# Altium PCB Zoom Camera Controller V3.0.PcbDoc
Units mm, origin at the board's own origin, x right, y up, seen from the top; angles counter-clockwise.
Board outline 35 x 35 mm, 2 copper layers (Top Layer, Bottom Layer); 23 components, 37 nets, 190 pads, 41 vias.
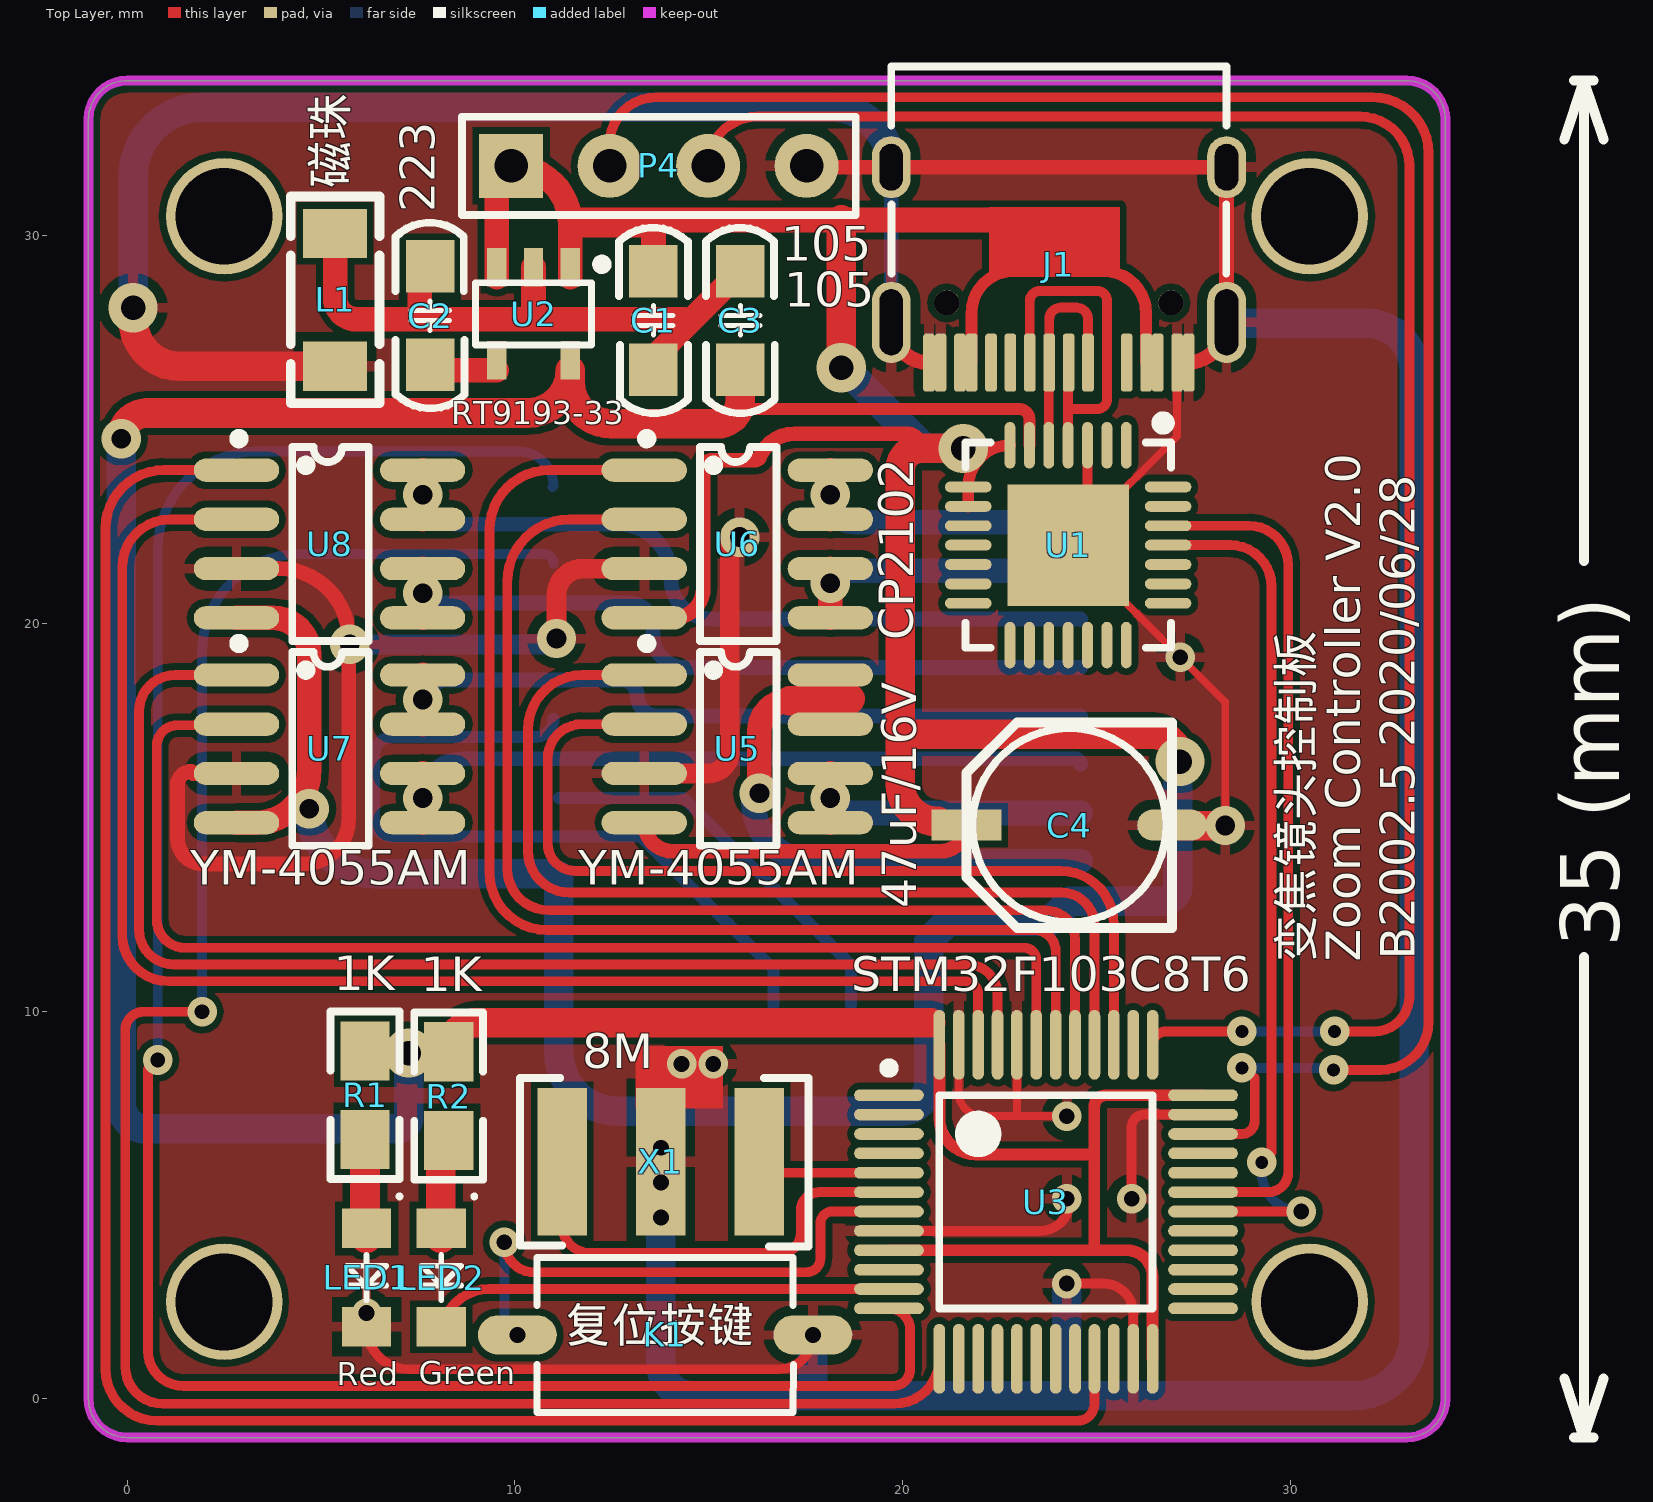
[diagram p0: Top Layer view]
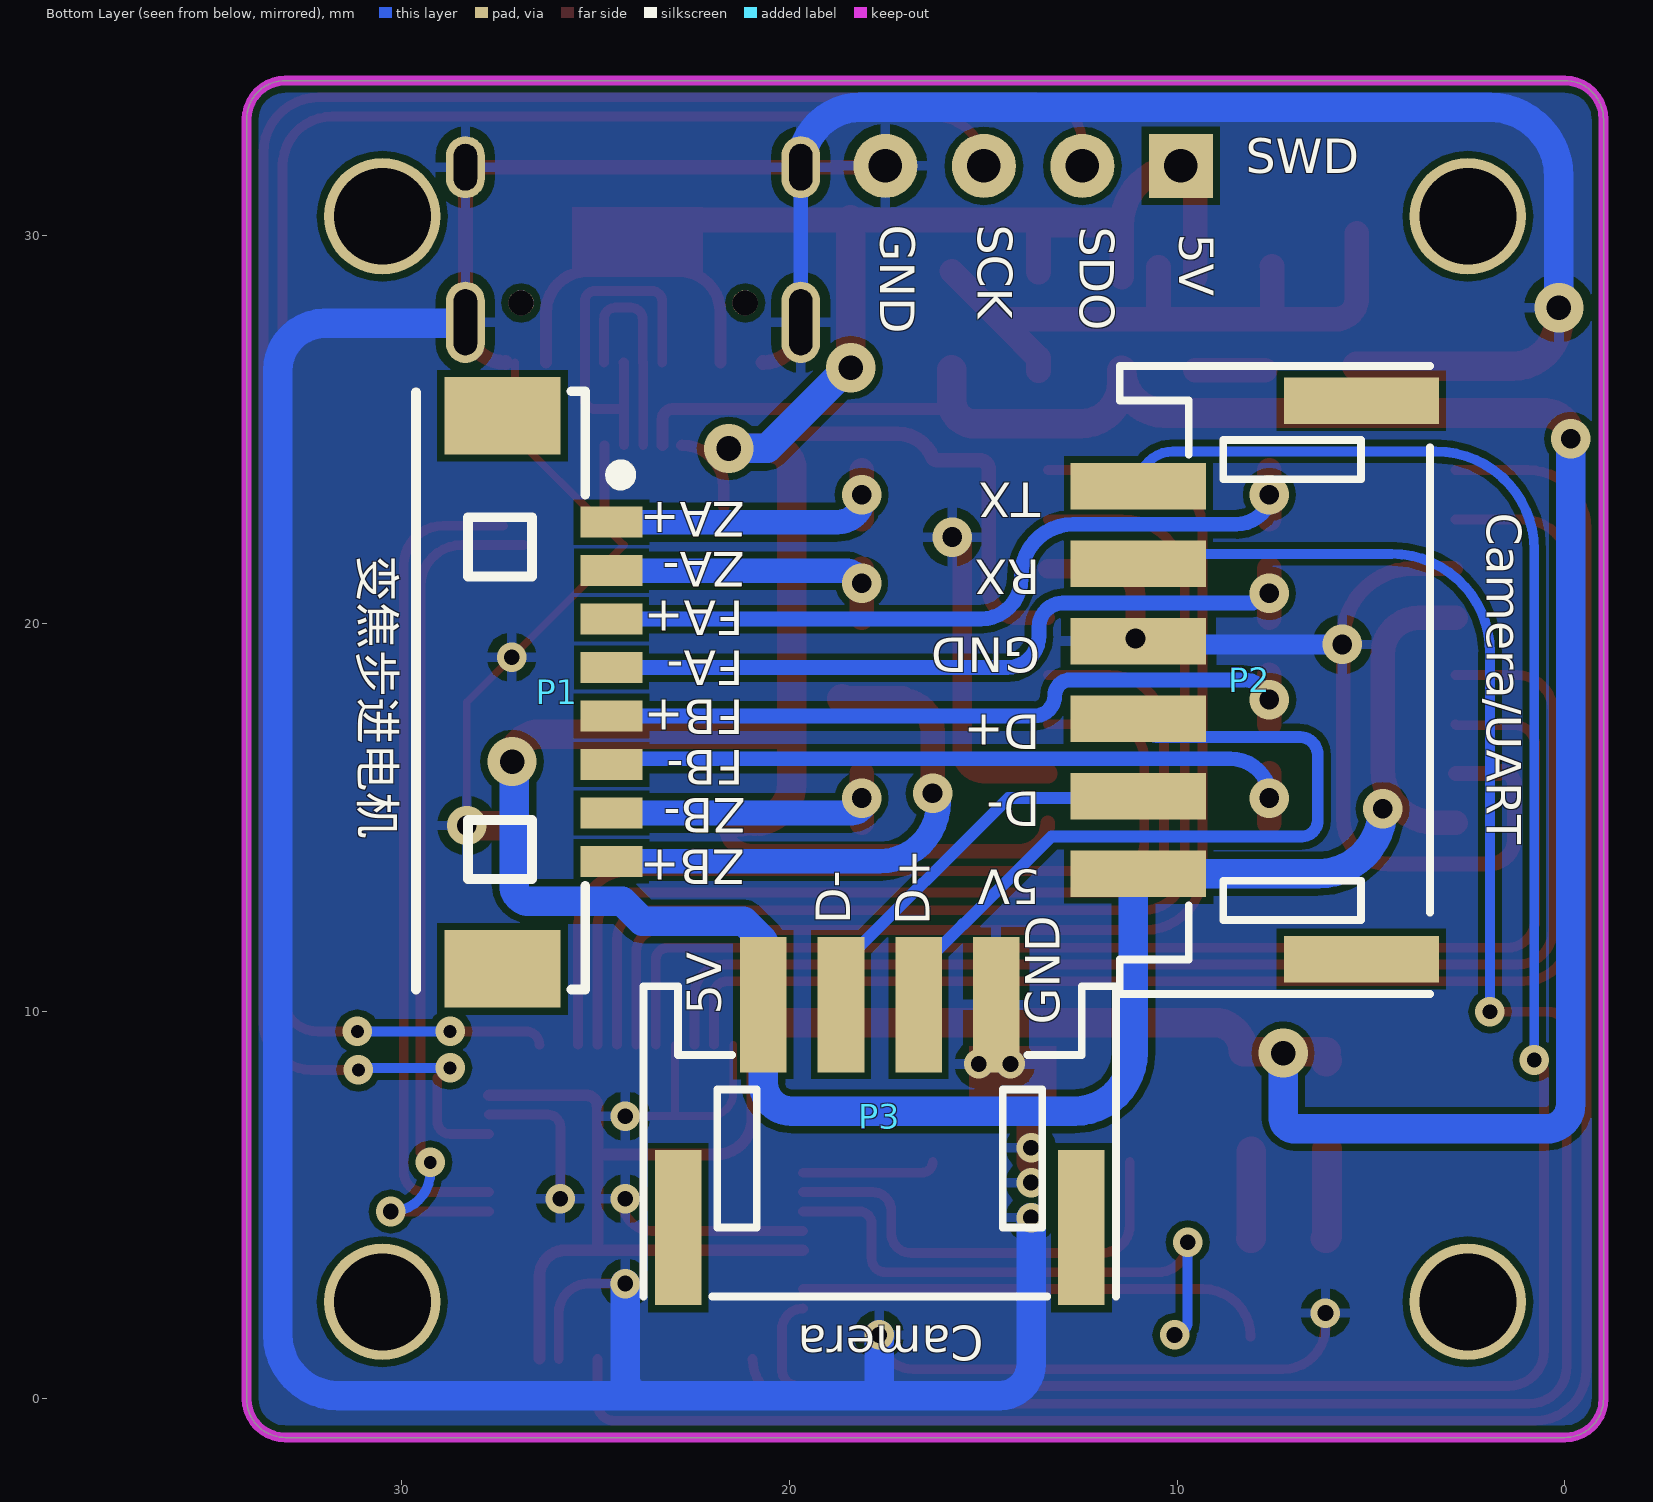
[diagram p1: Bottom Layer view, seen from below]
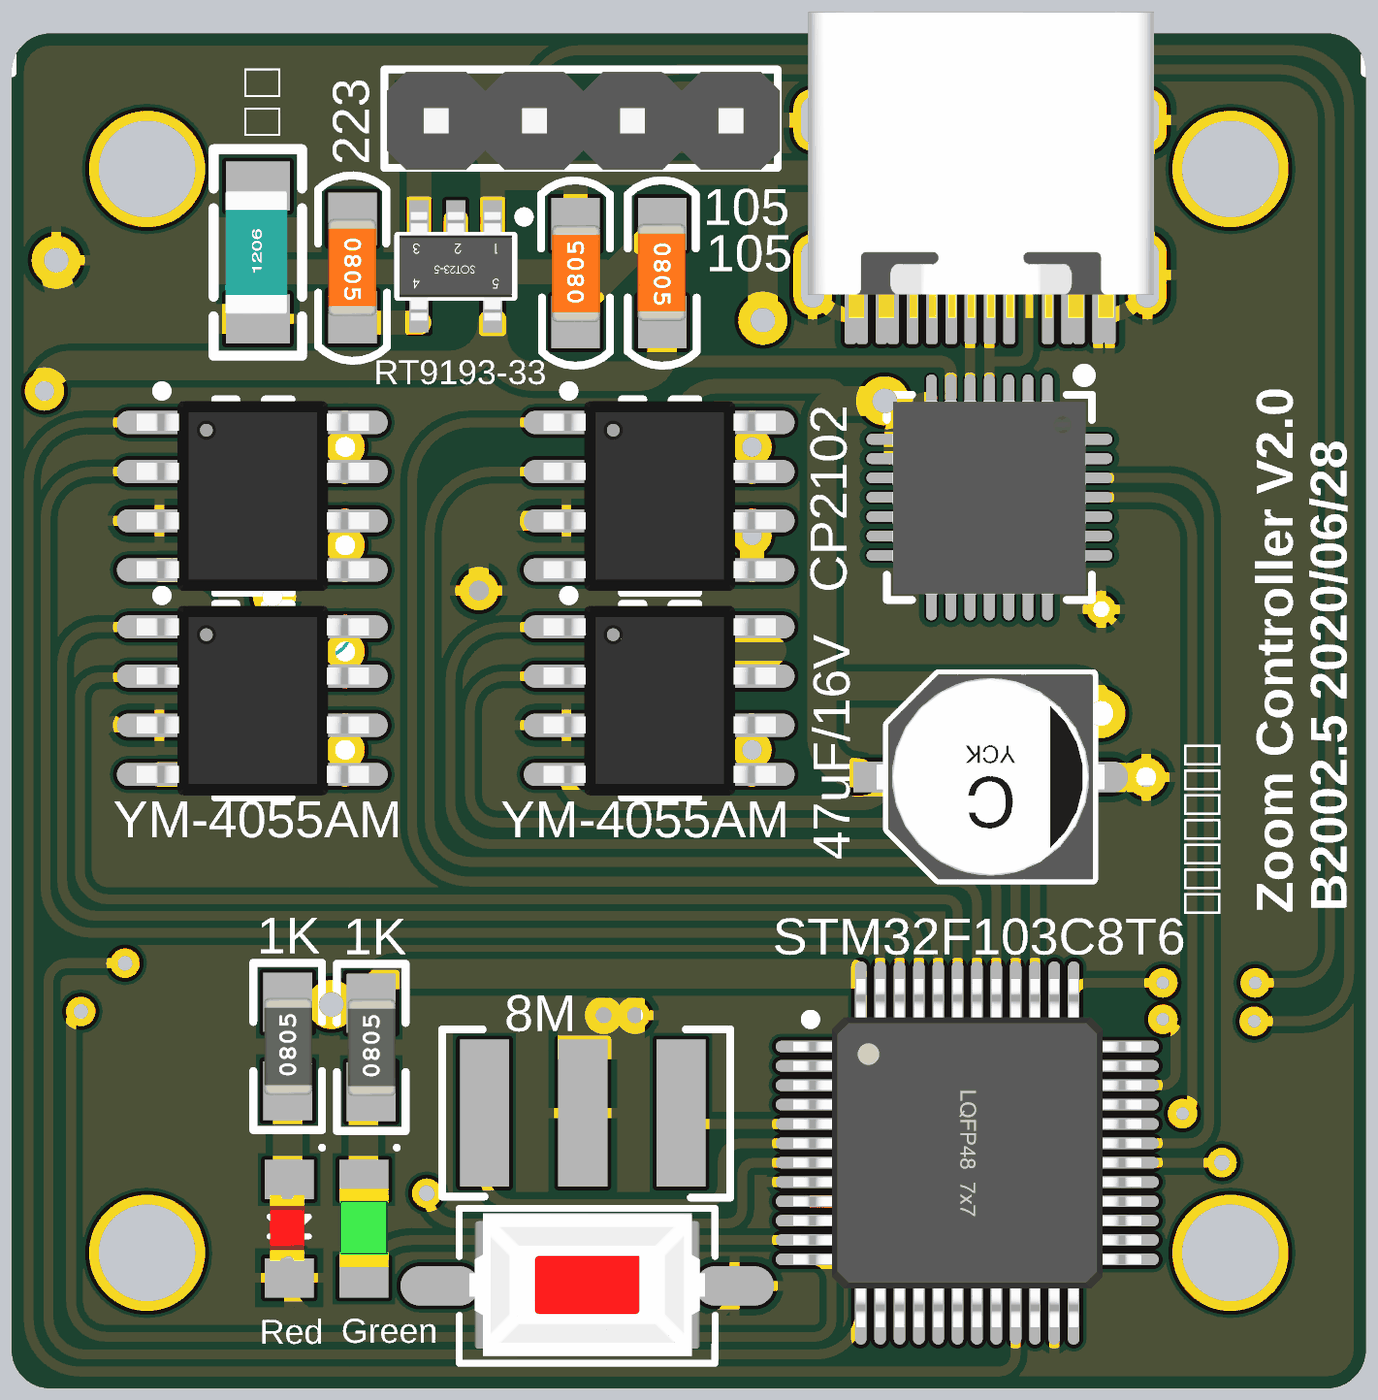
[diagram p2: 3D render of the assembled board from above, using the file's embedded part models]
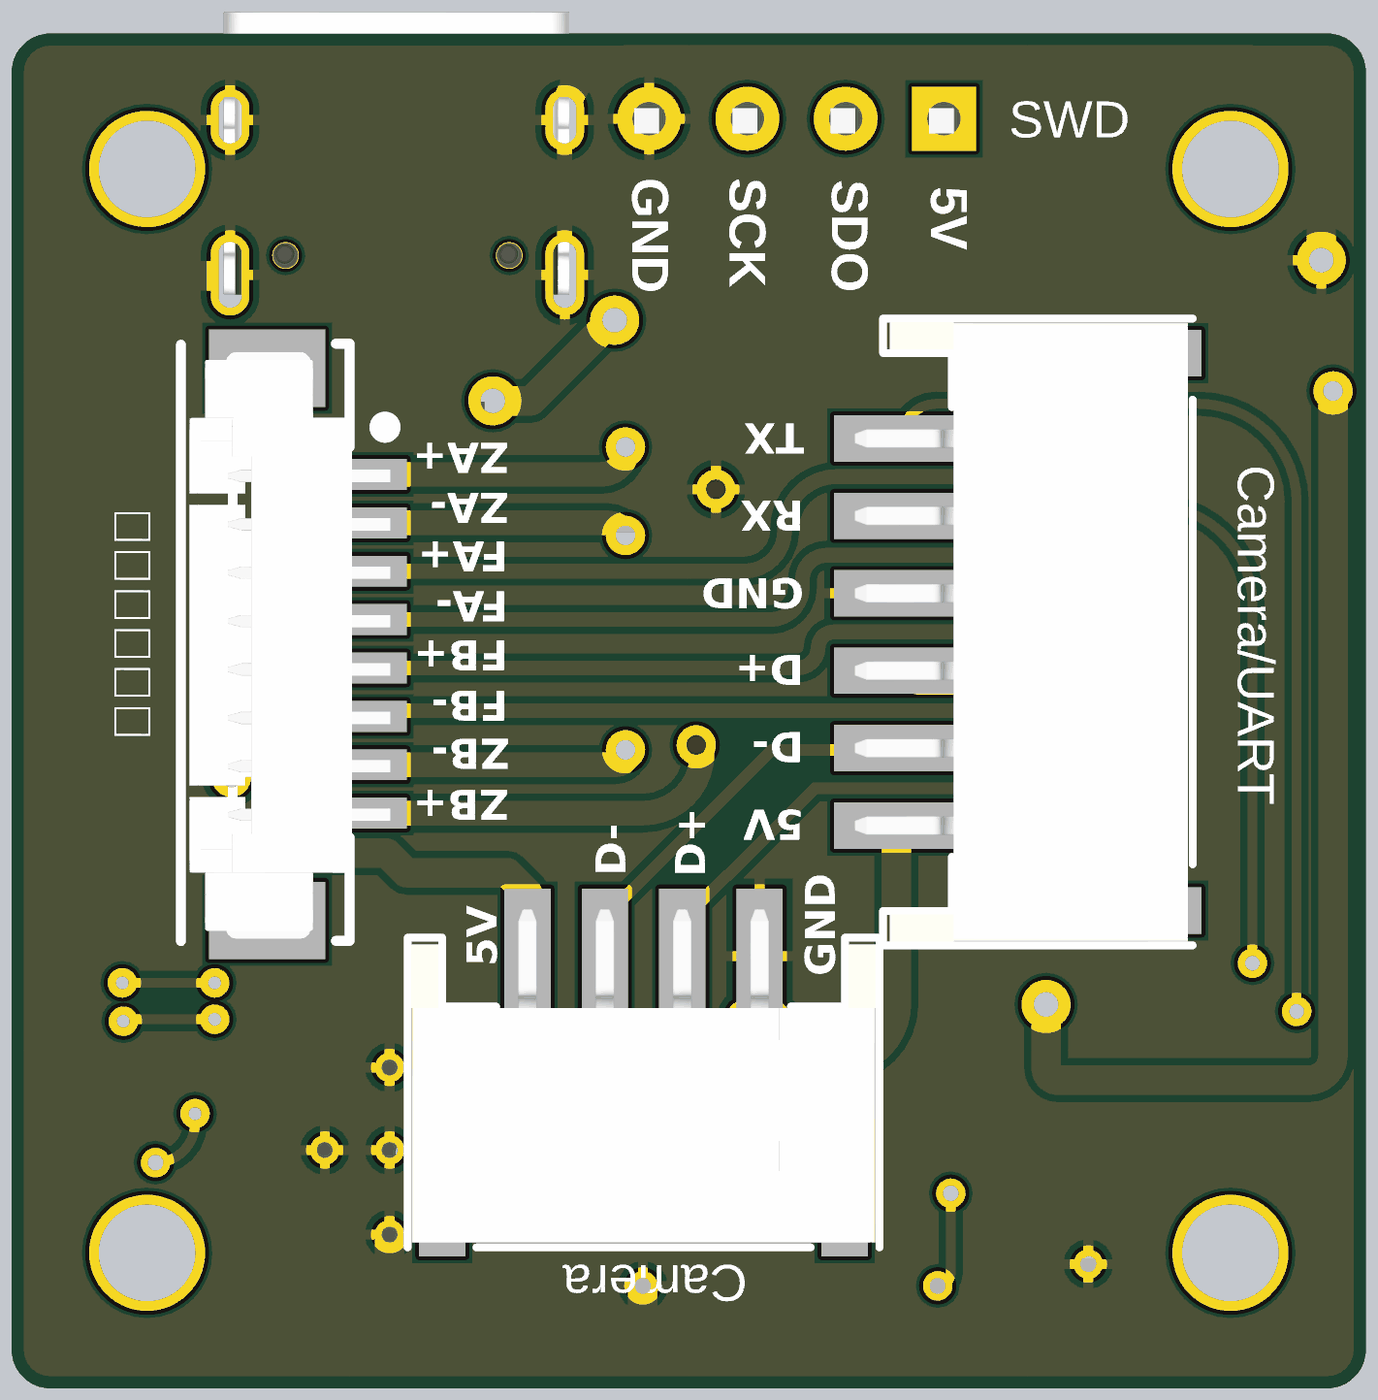
[diagram p3: 3D render of the assembled board from below, using the file's embedded part models]

## Layer stack, top to bottom
Top Solder: solder mask 0.0102, Solder Resist, Dk 3.5
Top Layer: signal copper 0.0356
Dielectric 1: dielectric 0.32, FR-4, Dk 4.8
Bottom Layer: signal copper 0.0356
Bottom Solder: solder mask 0.0102, Solder Resist, Dk 3.5

## Board outline
-1,0 -1,33 cw(c0,33) 0,34 33,34 cw(c33,33) 34,33 34,0 cw(c33,0) 33,-1 0,-1 cw(c0,0)

## Design rules (kind name [scope] priority, off if disabled: settings)
Clearance [All] p1: gap=0.178 ignorepadtopadclearanceinfootprint=FALSE except(0: Arc-Hole Track-Hole SMDPad-Hole THPad-Hole Via-Hole Fill-Hole Poly-Hole Region-Hole Text-Hole)
ComponentClearance [All] p1: gap=0 collisioncheckmode=3 verticalgap=0 showdistances=FALSE
PolygonConnect [All] p1: connectstyle=Relief reliefconductorwidth=0.254 reliefentries=4 polygonreliefangle="90 Angle" airgapwidth=0.254
RoutingVias [All] p1: holewidth=0.711 width=1.27 viastyle="Through Hole" minholewidth=0.711 minwidth=1.27 maxholewidth=0.711 maxwidth=1.27
SolderMaskExpansion [All] p1: expansion=0.102 istentingtop=FALSE
Width [All] p1: maxlimit=1.27 minlimit=0.203 preferedwidth=0.508
29 further rules are at their usual default settings.

## Components (designator, comment, footprint, x,y, rotation, side; value= is the part's Value field where it differs from the comment)
C1 "105" 0805C 13.462,26.568 r90 top
C2 "223" 0805C 7.925,29.185 r270 top
C3 "105" 0805C 15.926,29.058 r270 top
C4 "47uF/16V" "CM C(5*5.4)" 24.359,14.808 r180 top
J1 "TypeC" "TYPE-C 16P" 23.876,30.099 r90 top
K1 "复位按键" 贴片按键 10.211,1.575 r0 top
L1 "磁珠" 1206L 5.41,26.67 r90 top
LED1 "Red" 0805LED(RED) 6.299,4.318 r270 top
LED2 "Green" 0805LED(GREEN) 8.153,4.343 r270 top
P1 "变焦步进电机" MX1.25WS-8P 27.661,17.653 r90 bottom
P2 "Camera/UART" PH2.0WS-6P 7.613,18.792 r90 bottom
P3 "Camera" PH2.0WS-4P 17.424,6.375 r180 bottom locked
P4 "SWD" "Header 4" 9.881,31.775 r90 top
R1 "1K" 0805R 6.147,6.528 r90 top
R2 "1K" 0805R 8.306,6.502 r90 top
U1 "CP2102" QFN-28 26.187,23.927 r270 top
U2 "RT9193-33" SOT23-5 11.379,29.235 r180 top
U3 "STM32F103C8T6" LQFP-48 23.749,5.08 r0 top locked
U5 "YM-4055AM" SOP-8 13.373,18.644 r0 top
U6 "YM-4055AM" SOP-8 13.373,23.927 r0 top
U7 "YM-4055AM" SOP-8 2.857,18.644 r0 top
U8 "YM-4055AM" SOP-8 2.857,23.927 r0 top
X1 "8M" 三脚贴片8M晶振 16.307,6.172 r270 top

## Footprints (in the part's own frame and the unit in brackets; to place one, negate y for a bottom-side part, rotate by r counter-clockwise, add the part's x,y. Pads: shape width x height; smd on the part's side, far side on the other; paste and mask are expansions set on the pad)
0805C [mm]
  rect 1.35x1.25 smd: 1(-0.025,-0.112) 2(2.515,-0.112)
  silkscreen extent -1.15,-1 3.64,0.78, body extent -0.03,-0.75 2.48,0.5, height 0.79
0805LED(GREEN) [mil]
  rect 40x50 smd: 1(-2,-2) 2(98,-2)
  silkscreen extent -36,-22 71,33, body extent 7,-27 87,23, height 43
0805LED(RED) [mil]
  rect 40x50 smd: 1(-2.98,-4.95) 2(97.02,-4.95)
  silkscreen extent -37,-25 70,31, body extent 13,-25 80,11, height 35
0805R [mil]
  rect 60x50 smd: 1(6.34,0.5) 2(96.34,0.5)
  silkscreen extent -34,-34 136,36, body extent 2,-24 101,25, height 31
1206L [mil]
  rect 50x65 smd: 1(-1.59,1.89) 2(133.41,1.89)
  silkscreen extent -39,-43 171,47, body extent 3,-28 129,35, height 35
"CM C(5*5.4)" [mm] "贴片电解电容，直径5mm，高5.4mm"
  rect 1.8x0.8 smd: 1(2.708,0.012)
  oval 1.8x0.8 smd: 2(-2.592,0.012)
  silkscreen extent -2.59,-2.64 2.71,2.66, body extent -2.89,-2.64 3.01,2.66, height 5.4
"Header 4" [mil]
  rect 65x65 hole 34: 1(0.95,-0.93)
  round 65 hole 34: 2(0.95,-100.93) 3(0.95,-200.93) 4(0.95,-300.93)
  silkscreen extent -49,-351 51,49, body extent -51,-354 49,46, height 336
LQFP-48 [mm]
  oval 1.8x0.3 smd: 1(-4.101,2.75) 2(-4.101,2.25) 3(-4.101,1.75) 4(-4.101,1.25) 5(-4.101,0.75) 6(-4.101,0.25) 7(-4.101,-0.25) 8(-4.101,-0.75) 9(-4.101,-1.25) 10(-4.101,-1.75) 11(-4.101,-2.25) 12(-4.101,-2.75) 25(3.999,-2.75) 26(3.999,-2.25) 27(3.999,-1.75) 28(3.999,-1.25) 29(3.999,-0.75) 30(3.999,-0.25) 31(3.999,0.25) 32(3.999,0.75) 33(3.999,1.25) 34(3.999,1.75) 35(3.999,2.25) 36(3.999,2.75)
  oval 0.3x1.8 smd: 13(-2.801,-4.05) 14(-2.301,-4.05) 15(-1.801,-4.05) 16(-1.301,-4.05) 17(-0.801,-4.05) 18(-0.301,-4.05) 19(0.199,-4.05) 20(0.699,-4.05) 21(1.199,-4.05) 22(1.699,-4.05) 23(2.199,-4.05) 24(2.699,-4.05) 37(2.699,4.05) 38(2.199,4.05) 39(1.699,4.05) 40(1.199,4.05) 41(0.699,4.05) 42(0.199,4.05) 43(-0.301,4.05) 44(-0.801,4.05) 45(-1.301,4.05) 46(-1.801,4.05) 47(-2.301,4.05) 48(-2.801,4.05)
  silkscreen extent -4.23,-2.75 2.7,3.57, body extent -4.55,-4.5 4.45,4.5, height 1.45
MX1.25WS-8P [mm]
  rect 2x3 smd: 0(-6.564,-0.262) 0(7.7,-0.262)
  rect 0.8x1.6 smd: 1(4.956,-3.072) 2(3.706,-3.072) 3(2.456,-3.072) 4(1.206,-3.072) 5(-0.044,-3.072) 6(-1.294,-3.072) 7(-2.544,-3.072) 8(-3.794,-3.072)
  silkscreen extent -7.1,-3.51 8.33,1.97, body extent -7.03,-3.45 8.12,1.74, height 3.4
PH2.0WS-4P [mm]
  rect 1.2x4 smd: 0(-5.445,-1.962) 0(4.955,-1.962)
  rect 1.2x3.5 smd: 1(-3.245,3.788) 2(-1.245,3.788) 3(0.755,3.788) 4(2.755,3.788)
  silkscreen extent -6.34,-3.73 5.85,4.27, body extent -6.24,-3.61 5.76,4.99, height 5.55
PH2.0WS-6P [mm]
  rect 1.2x4 smd: 0(-7.453,-2.365) 0(6.947,-2.365)
  rect 1.2x3.5 smd: 1(-5.253,3.385) 2(-3.253,3.385) 3(-1.253,3.385) 4(0.747,3.385) 5(2.747,3.385) 6(4.747,3.385)
  silkscreen extent -8.35,-4.14 7.84,3.86, body extent -8.25,-4.01 7.75,4.59, height 5.55
QFN-28 [mm] "CP2102  USB转串口芯片"
  rect 3.13x3.13 smd mask+0.051: 0(1.909,-1.918)
  oval 1.2x0.28 smd mask+0.051: 1(-0.668,-0.418) 2(-0.668,-0.918) 3(-0.668,-1.418) 4(-0.668,-1.918) 5(-0.668,-2.418) 6(-0.668,-2.918) 7(-0.668,-3.418) 15(4.486,-3.418) 16(4.486,-2.918) 17(4.486,-2.418) 18(4.486,-1.918) 19(4.486,-1.418) 20(4.486,-0.918) 21(4.486,-0.418)
  oval 0.28x1.2 smd mask+0.051: 8(0.409,-4.495) 9(0.909,-4.495) 10(1.409,-4.495) 11(1.909,-4.495) 12(2.409,-4.495) 13(2.909,-4.495) 14(3.409,-4.495) 22(3.409,0.66) 23(2.909,0.66) 24(2.409,0.66) 25(1.909,0.66) 26(1.409,0.66) 27(0.909,0.66) 28(0.409,0.66)
  silkscreen extent -1.39,-4.57 4.56,0.73, body extent -0.58,-4.42 4.42,0.58, height 1
SOP-8 [mm]
  oval 2.2x0.6 smd: 1(-0.038,0.025) 2(-0.038,-1.245) 3(-0.038,-2.515) 4(-0.038,-3.785) 5(4.762,-3.785) 6(4.762,-2.515) 7(4.762,-1.245) 8(4.762,0.025)
  silkscreen extent -0.1,-4.38 3.37,0.96, body extent -0.62,-4.33 5.38,0.58, height 1.7
SOT23-5 [mm]
  rect 0.5x1 smd: 1(-0.051,0.051) 2(0.899,0.051) 3(1.849,0.051) 4(1.849,2.451) 5(-0.051,2.451)
  silkscreen extent -0.99,-0.15 2.4,2.05, body extent -0.55,-0.15 2.35,2.65, height 1.09
"TYPE-C 16P" [mm] "贴片USB-3.1  4固定插脚"
  round 0.65 hole 0.65: 0(-1.834,2.735) 0(-1.834,-3.045)
  oval 1.6x1 hole 0.6 slot 1.2 at 0 deg: 1(1.666,4.17) 2(1.666,-4.48)
  oval 2.1x1 hole 0.6 slot 1.7 at 0 deg: 3(-2.334,-4.48) 4(-2.334,4.17)
  rrect50% 1.5x0.3 smd: A1(-3.374,-3.505) A4(-3.374,-2.705) A6(-3.374,-0.405) A7(-3.374,0.095) A8(-3.374,1.095) A9(-3.374,2.395) A12(-3.374,3.195) B1(-3.374,2.895) B4(-3.374,2.095) B5(-3.374,1.595) B6(-3.374,0.595) B7(-3.374,-0.905) B8(-3.374,-1.905) B9(-3.374,-2.405) B12(-3.374,-3.205)
  silkscreen extent -1.07,-4.48 4.27,4.17, body extent -3.45,-4.65 4.45,4.29, height 3.25
三脚贴片8M晶振 [mm] "CSTCC8M00G53-RO"
  rect 3.8x1.27 smd: 1(0.06,-0.006) 2(0.06,-5.086) 3(0.06,-2.546)
  silkscreen extent -2.1,-6.18 2.24,1.26, body extent -1.72,-6.23 1.84,1.26, height 1.5
贴片按键 [mil]
  oval 80x40 smd: 1(-5.71,2.8) 2(294.29,2.8)
  silkscreen extent 14,-76 274,82, body extent 24,-69 264,77, height 98

## Part data
C1 C2 C3: library part Cap1, "无极贴片电容"
C4: library part Cap3, "直插极性电容"
K1: library part 贴片按键, "轻触开关"
L1: library part L, "电感"
LED1 LED2: library part LED, "发光二极管"
P1: library part 接线端子-8PIN
P2: library part 接线端子-6PIN, "6PIN"
P3: library part 接线端子-4PIN, "4PIN"
P4: library part "Header 4", "排针"
R1 R2: library part Res, "电阻"
U1: "USB转串口芯片"
U2: library part RT9193
U3: "STM32单片机48引脚"
X1: library part XTAL三脚贴片晶振

## Free pads (board coordinates)
  round 3 hole 2.5: 0(2.5,2.5) 0(2.5,30.5) 0(30.5,2.5) 0(30.5,30.5)

## Via types
v1: diameter 0.762, hole 0.406, Top Layer to Bottom Layer, 15 vias
v2: diameter 1.016, hole 0.508, Top Layer to Bottom Layer, 14 vias
v3: diameter 1.27, hole 0.635, Top Layer to Bottom Layer, 5 vias
v4: diameter 0.762, hole 0.33, Top Layer to Bottom Layer, 5 vias
v5: diameter 0.762, hole 0.381, Top Layer to Bottom Layer, 2 vias

## Nets (pads, with @x,y where several pads share a name; then routed paths per layer and width w, separated by ;. In a path a pad name is that pad's centre, name@x,y a point inside that pad or via, vN(x,y) a via of type N, cw(c..) or ccw(c..) an arc to the next point about the centre after c; other vN are vias at no path point)
3.3V: C3.2 R1.2 R2.2 U1.6 U2.5 U3.9 U3.24 U3.36 U3.48 | length 91.6
  Top Layer w0.254: 24.867,6.299 ccw(c24.867,6.375) 24.943,6.375
  Top Layer w0.305: 15.813,25.653 ccw(c15.941,25.653) 15.941,25.525 23.012,25.525 cw(c23.012,25.268) 23.27,25.268 U1.6 ; U3.9 24.943,3.83 ; U3.48 20.948,7.246 ccw(c21.895,7.246) 21.895,6.299 24.867,6.299 ; U3.24 26.448,3.156 ccw(c25.774,3.156) 25.774,3.83 24.943,3.83 ; U3.36 25.254,7.83 ccw(c25.254,7.518) 24.943,7.518 24.943,6.375 24.943,3.83
  Top Layer w0.762: v2(-0.152,24.765) cw(c0.508,24.765) 0.375,25.412 cw(c0.508,24.765) 0.508,25.425 10.325,25.425 ccw(c10.325,26.531) 11.43,26.531 11.43,26.209 ccw(c12.493,26.209) 12.493,25.146 15.215,25.146 ccw(c15.215,25.745) 15.813,25.745 C3.2 ; R1.2@6.134,8.721 ccw(c6.159,8.721) R1.2@6.159,8.696 ; R1.2@6.159,8.95 R2.2 cw(c9.046,8.95) 9.046,9.703 20.726,9.703
  Bottom Layer w0.762: v2(-0.152,24.765) -0.152,7.595 ccw(c0.483,7.595) 0.483,6.96 6.96,6.96 ccw(c6.96,7.264) 7.264,7.264 v3(7.264,8.915)
5.0V: C1.2 C4.1 J1.A4 J1.A9 J1.B4 J1.B9 P2.1 P3.1 P4.1 U1.7 U1.8 U1.9 U2.1 U2.3 U5.4 U6.4 U7.4 U8.4 | length 126.1
  Top Layer w0.305: U1.9 U1.8 cw(c22.77,23.518) U1.7 ; J1.B4 21.781,28.018 cw(c22.846,28.018) 22.846,29.083 25.197,29.083 cw(c25.197,28) 26.281,28 J1.B9
  Top Layer w0.381: U5.4 ccw(c14.072,14.859) 14.072,14.122 20.978,14.122 ccw(c20.978,14.796) C4.1 ; U6.4 14.095,20.142 ccw(c14.095,20.906) 14.859,20.906 14.859,23.978 cw(c15.088,23.978) 15.088,24.206 16.171,24.206 ccw(c16.171,24.401) 16.294,24.25 cw(c17.221,23.901) 17.221,24.892 20.091,24.892 cw(c20.091,24.511) 20.472,24.511
  Top Layer w0.635: U7.4 3.327,14.859 ccw(c3.327,16.231) 4.699,16.231 4.699,19.202 ccw(c3.759,19.202) 3.759,20.142 U8.4 ; U2.3@9.53,28.931 9.53,31.425 cw(c9.904,31.425) P4.1 cw(c9.904,30.274) 11.43,30.274 ; U2.1@11.43,28.931 11.43,30.274 ; 11.56,30.404 18.415,30.404 24.46,30.404 ; C1.2@13.574,29.058 13.574,30.183 cw(c13.665,30.183) 13.665,30.274 11.43,30.274 ; C4.1@20.903,14.89 ccw(c21.384,16.253) C4.1@21.384,14.808
  Top Layer w0.762: v3(18.415,26.594) 18.415,30.404 ; C4.1@20.903,14.89 cw(c20.903,15.855) 19.939,15.855 19.939,17.145 ; v3(21.565,24.511) 20.472,24.511 ccw(c20.472,23.978) 19.939,23.978 19.939,17.145 ; v3(27.153,16.434) ccw(c26.441,16.434) 26.441,17.145 19.939,17.145
  Bottom Layer w0.635: v3(18.415,26.594) v3@18.491,26.594
  Bottom Layer w0.762: v2(4.699,15.215) ccw(c6.374,15.215) 6.374,13.539 P2.1 ; P2.1@11.132,13.492 11.132,8.934 ccw(c12.649,8.934) 12.649,7.417 19.946,7.417 ccw(c19.946,8.14) 20.669,8.14 P3.1 20.669,11.804 21.184,12.319 23.8,12.319 24.308,12.827 26.695,12.827 ccw(c26.695,13.233) 27.102,13.233 v3@27.102,16.332 ; v3@18.491,26.594 20.574,24.511 v3(21.565,24.511)
CP_USB_D+: J1.A6 J1.B6 U1.4 | length 9.7
  Top Layer w0.254: J1.B6 23.281,28.31 cw(c23.546,28.31) 23.546,28.575 25.019,28.575 cw(c25.019,28.321) 25.273,28.321 25.273,25.781 cw(c25.019,25.781) 25.019,25.527 24.27,25.527 ; U1.4 24.27,25.527 ; J1.A6 24.27,26.725 24.27,25.527
CP_USB_D-: J1.A7 J1.B7 U1.5 | length 5.7
  Top Layer w0.254: U1.5 23.77,26.725 J1.A7 23.781,27.845 cw(c24.079,27.845) 24.079,28.143 24.486,28.143 cw(c24.486,27.848) 24.781,27.848 J1.B7
DGND: C4.2 J1.1 J1.2 J1.3 J1.4 J1.A1 J1.A12 J1.B1 J1.B12 K1.2 L1.1 LED1.2 P2.4 P3.4 P4.4 U1.0 U1.3 U3.8 U3.23 U3.35 U3.44 U3.47 U5.3 U6.3 U7.3 U8.3 X1.3 | length 198
  Top Layer w0.203: U3.47 21.448,7.897 ccw(c22.055,7.897) 22.055,7.29 v1(24.232,7.29) v1@24.257,7.29 ; 22.948,7.379 U3.44 ; J1.B12 27.081,24.829 24.77,22.518 U1.0 v1(27.161,19.126) 28.321,17.967 v2(28.321,14.785)
  Top Layer w0.254: LED1.2 ccw(c7.265,1.854) 7.265,0.762 16.802,0.762 ccw(c16.802,1.646) v1(17.686,1.646) ; U3.8 23.551,4.33 ccw(c23.551,5.087) v1@24.308,5.087 ; v1(24.232,2.972) 25.183,2.972 cw(c25.183,2.207) 25.948,2.207 U3.23 ; U1.0@24.77,22.518 U1.3 ; v1(25.908,5.156) 25.908,7.01 cw(c26.228,7.01) 26.228,7.33 U3.35
  Top Layer w0.381: U7.3 1.702,16.129 cw(c1.702,16.18) 1.651,16.18 ccw(c1.651,15.824) 1.295,15.824 1.295,14.453 ccw(c1.956,14.453) 1.956,13.792 4.547,13.792 ccw(c4.547,14.961) 5.715,14.961 5.715,19.609 ccw(c3.912,19.609) 3.912,21.412 U8.3 ; P4.4 ccw(c17.559,31.8) 17.559,31.765 J1.1 J1.2 J1.3 cw(c27.316,27.765) J1.A1@27.316,26.725 ; J1.4 19.706,27.402 ccw(c19.779,27.402) 19.779,27.329 ccw(c20.681,27.7) J1.A12
  Top Layer w0.508: v2(11.074,19.609) 11.074,20.732 cw(c11.755,20.732) 11.755,21.412 U6.3 ; U5.3 14.986,16.129 ccw(c14.986,16.688) 15.545,16.688 v2@15.545,22.123
  Top Layer w0.762: v3(0.152,28.143) 0.152,27.837 ccw(c1.36,27.837) 1.36,26.629 5.195,26.629 L1.1 ; X1.3 X1.3@13.761,7.639 ; C4.2 26.951,14.785 v2(28.321,14.785)
  Bottom Layer w0.381: J1.4 J1.1
  Bottom Layer w0.508: v2(5.74,19.456) 10.915,19.456 ccw(c10.915,19.539) P2.4
  Bottom Layer w0.762: v3(0.152,28.143) 0.152,31.521 cw(c1.945,31.521) 1.945,33.314 18.156,33.314 cw(c18.156,31.765) J1.1 ; v1(13.767,4.674) 13.767,0.895 ccw(c14.586,0.895) 14.586,0.076 17.805,0.076 ; v1(17.686,1.646) 17.686,0.196 ccw(c17.805,0.196) 17.805,0.076 ; v1(24.232,2.972) 24.232,0.508 cw(c23.8,0.508) 23.8,0.076 ; J1.3 ccw(c28.384,27.765) 28.384,27.737 31.979,27.737 cw(c31.979,26.518) 33.198,26.518 33.198,1.651 cw(c31.623,1.651) 31.623,0.076 23.8,0.076 ; 17.805,0.076 23.8,0.076
  other v1: 6.173,2.211 24.232,5.156 13.767,5.575 13.767,6.477 14.3,8.636 15.113,8.636
  other v2: 15.799,22.225
FOCUS_A+: P1.3 U8.7 U8.8 | length 20.3
  Top Layer w0.635: U8.7 U8.8
  Bottom Layer w0.381: v2@7.544,23.495 ccw(c8.484,23.495) 8.484,22.555 12.675,22.555 cw(c12.675,21.209) 14.021,21.209 14.021,21.158 ccw(c15.07,21.158) 15.07,20.109 P1.3
  other v2: 7.619,23.317
FOCUS_A-: P1.4 U8.5 U8.6 | length 19.4
  Top Layer w0.635: U8.5 U8.6
  Bottom Layer w0.381: v2@7.696,20.93 ccw(c8.103,20.93) 8.103,20.523 12.941,20.523 cw(c12.941,19.901) 13.284,20.421 cw(c12.941,19.901) 13.564,19.901 13.564,19.685 ccw(c14.389,19.685) 14.389,18.859 P1.4
  other v2: 7.619,20.777
FOCUS_B+: P1.5 U7.7 U7.8 | length 19.1
  Top Layer w0.635: U7.7 U7.8
  Bottom Layer w0.381: v2@7.62,17.882 cw(c8.28,17.882) 8.28,18.542 12.751,18.542 cw(c12.751,18.136) 13.157,18.136 ccw(c13.683,18.136) 13.683,17.609 P1.5
  other v2: 7.619,18.034
FOCUS_B-: P1.6 U7.5 U7.6 | length 18.9
  Top Layer w0.635: U7.5 U7.6
  Bottom Layer w0.381: v2@7.595,15.469 cw(c8.636,15.469) 8.636,16.51 24.438,16.51 cw(c24.438,16.359) P1.6
  other v2: 7.619,15.494
GND: C1.1 C2.1 C3.1 L1.2 U2.2 | length 17.4
  Top Layer w0.635: L1.2 5.362,28.4 ccw(c5.918,28.4) 5.918,27.844 7.544,27.844 ; C2.1@7.558,29.21 7.544,29.21 7.544,27.844 ; U2.2 10.48,27.93 ccw(c10.566,27.93) 10.566,27.844 ; C1.1@13.574,26.518 13.574,26.843 14.447,27.717 ; C3.1 14.447,27.717 ; 7.544,27.844 10.48,27.844 10.566,27.844 ; 10.566,27.844 14.32,27.844 cw(c14.32,27.717) 14.447,27.717
IN1(B3): U3.39 U5.2 | length 24.1
  Top Layer w0.254: U5.2 11.73,17.399 ccw(c11.73,16.515) 10.846,16.515 10.846,14.326 ccw(c11.557,14.326) 11.557,13.614 24.077,13.614 cw(c24.077,12.243) 25.448,12.243 U3.39
IN2(B4): U3.40 U5.1 | length 25.7
  Top Layer w0.254: U5.1 11.746,18.669 ccw(c11.746,17.261) 10.338,17.261 10.338,14.122 ccw(c11.405,14.122) 11.405,13.056 24.103,13.056 cw(c24.103,12.211) 24.948,12.211 U3.40
IN3(B5): U3.41 U6.2 | length 30.3
  Top Layer w0.254: U6.2 11.415,22.682 ccw(c11.415,21.072) 9.804,21.072 9.804,13.665 ccw(c10.871,13.665) 10.871,12.598 23.692,12.598 cw(c23.692,11.842) 24.448,11.842 U3.41
IN4(B6): U3.42 U6.1 | length 31.9
  Top Layer w0.254: U6.1 10.888,23.952 ccw(c10.888,22.411) 9.347,22.411 9.347,13.564 ccw(c10.82,13.564) 10.82,12.09 23.398,12.09 cw(c23.398,11.541) 23.948,11.541 U3.42
IN5(B7): U3.43 U7.2 | length 32.3
  Top Layer w0.254: U7.2 cw(c2.794,17.399) 2.794,17.374 1.295,17.374 ccw(c1.295,16.84) 0.762,16.84 0.762,12.362 ccw(c1.49,12.362) 1.49,11.633 23.139,11.633 cw(c23.139,11.324) 23.448,11.324 U3.43
IN6(B8): U3.45 U7.1 | length 33.1
  Top Layer w0.254: U7.1 1.245,18.669 ccw(c1.245,17.729) 0.305,17.729 0.305,12.104 ccw(c1.207,12.104) 1.207,11.201 21.673,11.201 cw(c21.673,10.426) 22.448,10.426 U3.45
IN7(B9): U3.46 U8.2 | length 37.4
  Top Layer w0.254: U8.2 1.105,22.682 ccw(c1.105,21.45) -0.127,21.45 -0.127,11.954 ccw(c1.057,11.954) 1.057,10.77 21.615,10.77 cw(c21.615,10.437) 21.948,10.437 U3.46
IN8(B10): U3.21 U8.1 | length 53.6
  Top Layer w0.254: U8.1 0.946,23.952 ccw(c0.946,22.448) -0.559,22.448 -0.559,0.762 ccw(c0.771,0.762) 0.771,-0.568 24.511,-0.568 ccw(c24.511,-0.131) 24.948,-0.131 U3.21
NetC2_2: C2.2 U2.4 | length 1.8
  Top Layer w0.635: C2.2@7.724,26.531 U2.4@9.53,26.531
NetLED1_1: LED1.1 R1.1 | length 2.3
  Top Layer w0.762: R1.1@6.134,6.435 6.134,4.179 ccw(c6.173,4.179) LED1.1@6.173,4.14
NetLED2_1: LED2.1 R2.1 | length 2.3
  Top Layer w0.762: R2.1@8.09,6.384 8.09,4.14 LED2.1@8.103,4.14
NRST: K1.1 U3.7 | length 14.2
  Top Layer w0.254: v1(9.728,4.039) ccw(c10.505,4.039) 10.505,3.262 17.519,3.262 ccw(c17.519,3.624) 17.882,3.624 17.882,4.521 cw(c18.19,4.521) 18.19,4.83 U3.7
  Bottom Layer w0.254: v1(9.728,4.039) 9.728,1.983 ccw(c10.066,1.983) v1(10.066,1.646)
OSCIN: U3.5 X1.1 | length 3.5
  Top Layer w0.254: X1.1 ccw(c16.583,6.112) 16.583,5.83 U3.5
OSCOUT: U3.6 X1.2 | length 11.6
  Top Layer w0.254: X1.2 11.221,4.476 ccw(c11.938,4.476) 11.938,3.759 16.866,3.759 ccw(c16.866,4.267) 17.374,4.267 17.374,4.851 cw(c17.852,4.851) 17.852,5.33 U3.6
STM32_RXD1: U1.26 U3.31 | length 21.3
  Top Layer w0.254: U1.26@27.381,22.518 28.929,22.518 cw(c28.929,21.5) 29.947,21.5 29.947,5.844 cw(c29.433,5.844) 29.433,5.33 U3.31
STM32_RXD2: P2.5 U3.13 | length 53.1
  Top Layer w0.254: v5(1.93,9.982) 0.432,9.982 ccw(c0.432,9.5) -0.051,9.5 -0.051,0.838 ccw(c0.915,0.838) 0.915,-0.128 19.79,-0.128 ccw(c19.79,1.03) U3.13
  Bottom Layer w0.254: v5(1.93,9.982) 1.93,19.253 cw(c4.47,19.253) 4.47,21.793 10.744,21.793 cw(c10.744,21.539) P2.5
STM32_TXD1: U1.25 U3.30 | length 22.6
  Top Layer w0.254: U1.25 28.452,22.018 cw(c28.452,20.955) 29.515,20.955 29.515,6.35 v4(29.261,6.096) ; U3.30 v1(30.281,4.83)
  Bottom Layer w0.254: v4(29.261,6.096) 29.261,5.85 ccw(c30.281,5.85) v1(30.281,4.83)
STM32_TXD2: P2.6 U3.12 | length 55
  Top Layer w0.254: v5@0.533,8.509 0.533,1.245 ccw(c1.448,1.245) 1.448,0.33 19.761,0.33 ccw(c19.761,0.762) 20.193,0.762 20.193,1.785 ccw(c19.648,1.785) U3.12 ; v5(0.787,8.738) v5@0.787,8.763
  Bottom Layer w0.254: v5(0.787,8.738) 0.787,21.895 cw(c3.327,21.895) 3.327,24.435 10.103,24.435 cw(c10.103,23.539) P2.6 10.995,23.542 P2.6@10.97,23.517
SWCLK(A14): P4.3 U3.37 | length 48.3
  Top Layer w0.254: P4.3 cw(c16.255,31.8) 16.255,33.071 31.801,33.071 cw(c31.801,31.801) 33.071,31.801 33.071,10.385 cw(c32.16,10.385) 32.16,9.474 v4(31.14,9.474) ; U3.37 cw(c26.792,9.13) 26.792,9.474 v4(28.753,9.474)
  Bottom Layer w0.254: v4(28.753,9.474) v4(31.14,9.474)
SWDIO(A13): P4.2 U3.34 | length 53.9
  Top Layer w0.254: P4.2 12.444,32.372 cw(c13.64,32.372) 13.64,33.568 32.131,33.568 cw(c32.131,32.131) 33.568,32.131 33.568,9.724 cw(c32.328,9.724) 32.328,8.484 v4(31.115,8.484) ; U3.34 28.75,6.83 ccw(c28.75,7.163) 29.083,7.163 29.083,8.28
  Bottom Layer w0.254: v4@28.804,8.484 cw(c28.804,8.534) v4(28.753,8.534) 31.064,8.534 cw(c31.064,8.484) v4(31.115,8.484)
SYS_LED(A1): LED2.2 U3.11 | length 12.2
  Top Layer w0.254: LED2.2@8.103,1.6 cw(c9.332,1.6) 9.332,2.83 U3.11
USB_DM: P2.2 P3.2 | length 10.3
  Bottom Layer w0.305: P2.2@11.132,15.492 14.353,15.492 18.669,11.176 P3.2
USB_DP: P2.3 P3.3 | length 19.7
  Bottom Layer w0.305: P2.3 cw(c10.528,17.539) 10.528,17.069 6.833,17.069 ccw(c6.833,16.611) 6.374,16.611 6.374,14.911 ccw(c6.782,14.911) 6.782,14.503 13.237,14.503 13.326,14.414 15.497,12.243 15.519,12.243 16.669,11.093 P3.3
ZOOM_A+: P1.1 U6.7 U6.8 | length 8.2
  Top Layer w0.635: U6.7 U6.8
  Bottom Layer w0.635: v2@18.085,23.292 ccw(c18.767,23.292) 18.767,22.609 P1.1
  other v2: 18.136,23.317
ZOOM_A-: P1.2 U6.5 U6.6 | length 8
  Top Layer w0.635: U6.5 U6.6
  Bottom Layer w0.635: v2@18.11,20.897 cw(c18.573,20.897) 18.573,21.359 P1.2
  other v2: 18.136,21.031
ZOOM_B+: P1.8 U5.7 U5.8 | length 14
  Top Layer w0.635: v2(16.307,15.621) 16.307,17.221 cw(c17.094,17.221) 17.094,18.009
  Top Layer w0.762: 17.094,18.009 18.593,18.009 ccw(c18.593,18.059) 18.644,18.059
  Bottom Layer w0.635: v2@16.154,15.621 16.154,15.392 ccw(c17.687,15.392) 17.687,13.859 P1.8
ZOOM_B-: P1.7 U5.5 U5.6 | length 8.7
  Top Layer w0.635: U5.5 U5.6 v2(18.136,15.494)
  Bottom Layer w0.635: v2@18.034,15.469 ccw(c18.393,15.469) 18.393,15.109 P1.7
pads on no net: J1.0 J1.A8 J1.B5 J1.B8 P1.0 P2.0 P3.0 U1.1 U1.2 U1.10 U1.11 U1.12 U1.13 U1.14 U1.15 U1.16 U1.17 U1.18 U1.19 U1.20 U1.21 U1.22 U1.23 U1.24 U1.27 U1.28 U3.1 U3.2 U3.3 U3.4 U3.10 U3.14 U3.15 U3.16 U3.17 U3.18 U3.19 U3.20 U3.22 U3.25 U3.26 U3.27 U3.28 U3.29 U3.32 U3.33 U3.38

## Polygon pours and split planes (outlines as drawn)
DGND on Top Layer "DGND_L01_P000" (solid, remove dead copper, pour order 0): -2.235,30.963 -2.235,32.258 cw(c0.305,32.258) 0.305,34.798 32.08,34.798 cw(c32.08,32.258) 34.62,32.258 34.62,0.305 cw(c32.08,0.305) 32.08,-2.235 0.457,-2.235 cw(c0.457,0.279) -2.057,0.279
DGND on Bottom Layer "DGND_L02_P001" (solid, remove dead copper, pour order 1): -2.286,30.15 -2.286,32.715 cw(c0.254,32.715) 0.254,35.255 32.537,35.255 cw(c32.537,32.715) 35.077,32.715 35.077,0.076 cw(c32.766,0.076) 32.766,-2.235 0.356,-2.235 cw(c0.356,0.305) -2.184,0.305 -2.184,2.083

## Keep-outs
Keep-Out Layer:
  the board outline again, w0.254

## Other copper
Top Layer:
  region net DGND: 15.367,9.093 13.106,9.093 13.106,7.493 15.367,7.493
  region net 5.0V: 25.603,30.734 22.225,30.734 22.225,29.007 25.603,29.007

## Silkscreen, mask and mechanical layers (free items; w line width, h text height)
Top Overlay:
  lines w0.254: 37.064,0.524 37.572,-1 ; 37.064,32.476 37.572,34 ; 37.318,-1 37.826,-1 ; 37.318,34 37.826,34 ; 37.572,11.396 37.572,-1 ; 37.572,21.604 37.572,34 ; 38.08,0.524 37.572,-1 ; 38.08,32.476 37.572,34
  text "35 (mm)" at 38.486,11.65 h1.52 r90
  text "B2002.5 2020/06/28" at 33.503,11.328 h1.52 r90
  text "Zoom Controller V2.0" at 32.106,11.278 h1.52 r90
  text "变焦镜头控制板" at 30.861,11.252 h1.52 r90
Bottom Overlay:
  text "SCK" at 15.443,30.277 h1.52 r90
  text "GND" at 17.958,30.277 h1.52 r90
  text "SDO" at 12.802,30.226 h1.52 r90
  text "5V" at 10.236,30.048 h1.52 r90
  text "TX" at 13.524,23.929 h1.52 r180
  text "ZA+" at 21.15,23.426 h1.52 r180
  text "ZA-" at 21.15,22.13 h1.52 r180
  text "RX" at 13.524,21.934 h1.52 r180
  text "FA+" at 21.175,20.886 h1.52 r180
  text "GND" at 13.524,19.928 h1.52 r180
  text "FA-" at 21.175,19.59 h1.52 r180
  text "FB+" at 21.175,18.32 h1.52 r180
  text "D+" at 13.524,17.945 h1.52 r180
  text "FB-" at 21.175,17.025 h1.52 r180
  text "D-" at 13.524,15.95 h1.52 r180
  text "ZB-" at 21.124,15.78 h1.52 r180
  text "ZB+" at 21.15,14.46 h1.52 r180
  text "5V" at 13.525,13.945 h1.52 r180
  text "D-" at 18.136,12.243 h1.52 r270
  text "D+" at 16.078,12.217 h1.52 r270
  text "5V" at 21.463,9.906 h1.52 r270
  text "GND" at 12.725,9.652 h1.52 r270

## Dimensions
-1,33 to 34,33 on Top Overlay